# KiCad board BeavisUltrasoundPnp.kicad_pcb (continued)
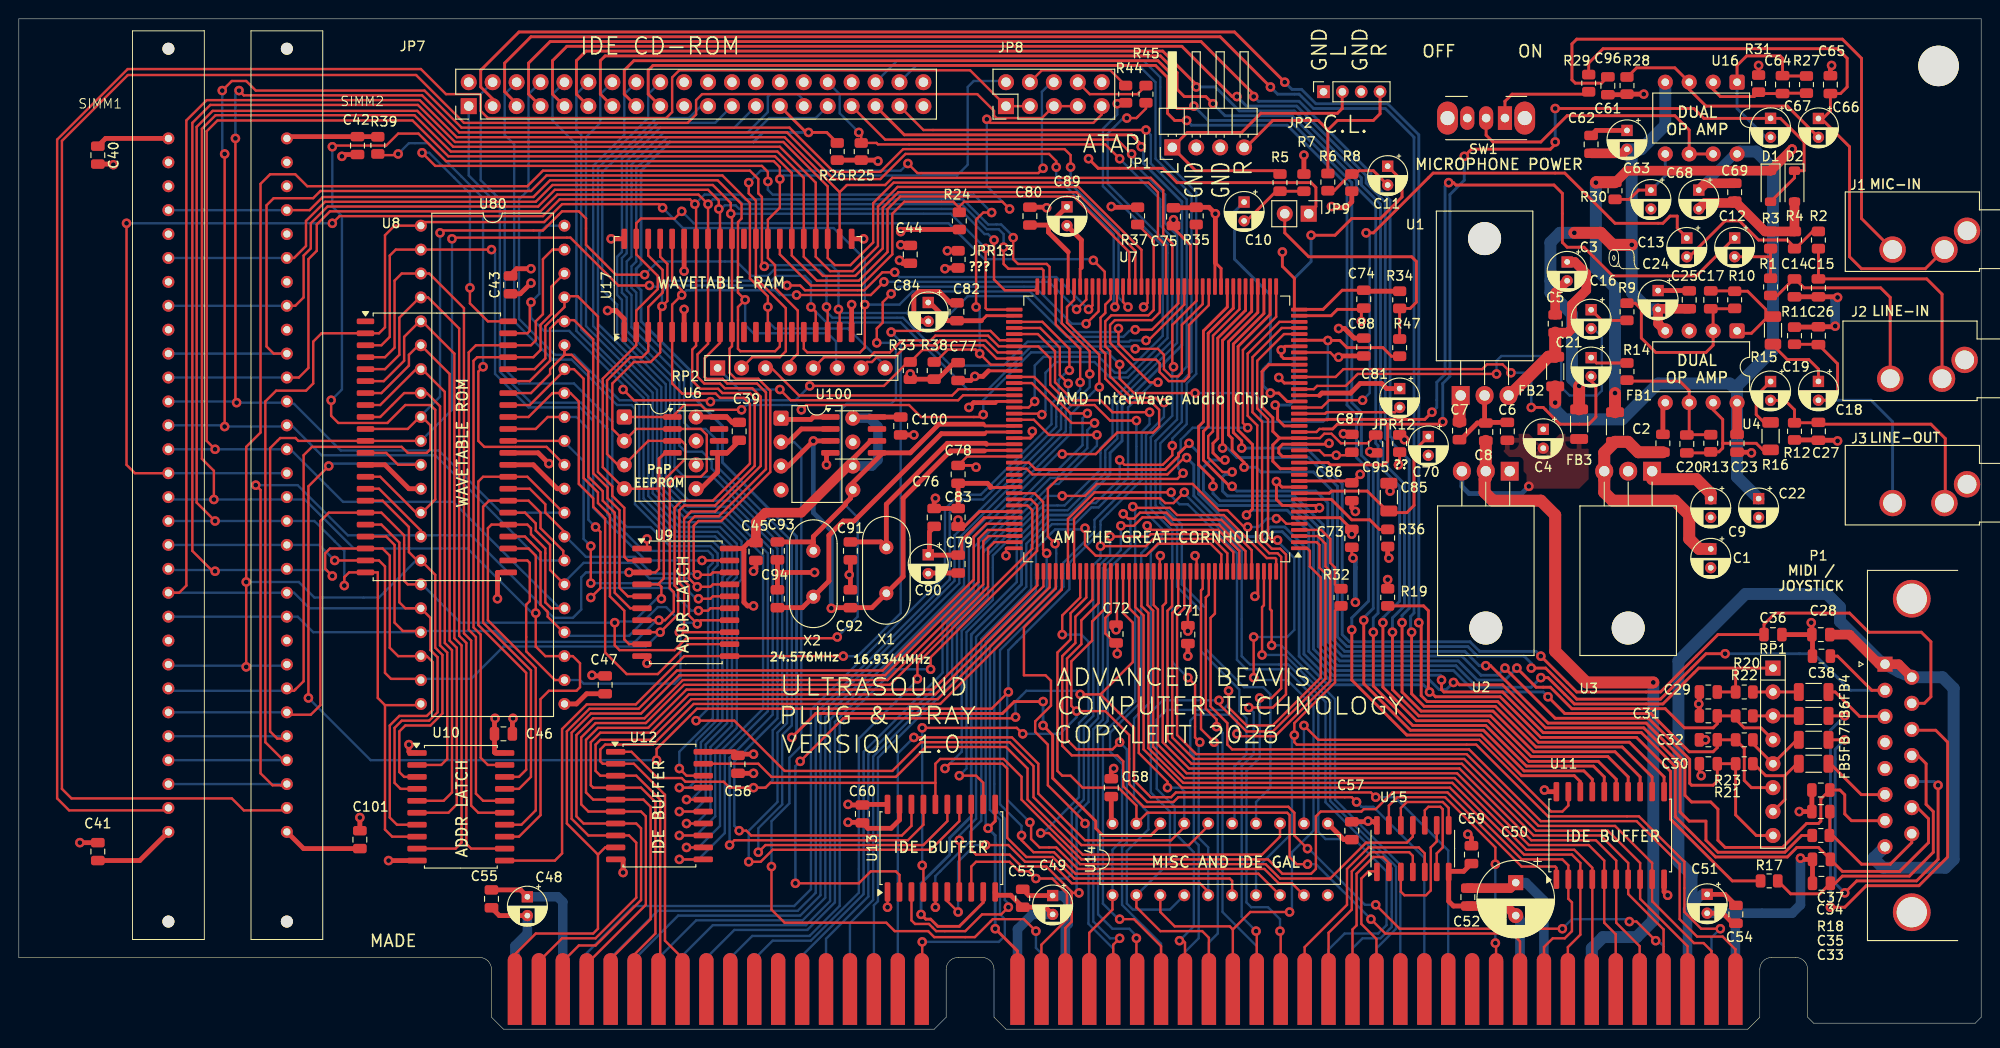
[diagram p0: board, top side]
## Routing (per net, layer and track width the routed paths; a pad name or vN(x,y) marks a point on that pad's centre or on a via; arc(x,y) is an arc through that point) (continued)
/A10: length 80.3
  Top w0.254: v1(131.32,10.41) 131.39,10.34 J4.A21 ; 135.9,74.48 134.04,74.48 130.94,71.37 130.94,65.53 131.95,64.52 131.95,52.07 132.99,51.03 133.88,51.03 134.49,50.42 134.49,35.56 133.1,34.16 v1(130.56,34.16)
  Bottom w0.254: v1(131.32,10.41) 129.79,11.94 129.79,27.94 131.06,29.21 131.06,33.65 v1(130.56,34.16)
/A11: length 81.5
  Top w0.254: v1(131.7,35.18) 132.97,35.18 133.99,36.19 133.99,50.16 133.6,50.55 132.71,50.55 131.44,51.82 131.44,64.13 130.43,65.15 130.43,71.75 133.8,75.13 U7.38 ; J4.A20 133.93,10.34 v1(133.86,10.41)
  Bottom w0.254: v1(133.86,10.41) 133.86,11.68 132.59,12.95 130.81,12.95 130.3,13.46 130.3,27.43 131.7,28.83 v1(131.7,35.18)
/A12: length 26.4
  Top w0.254: 149.23,16.77 149.23,18.67 148.59,19.3 143.26,19.3 140.97,17.02 140.97,13.21 136.47,8.71 J4.A19
/A12_A15: length 77.8
  Top w0.254: v1(110.74,41.91) 110.74,43.94 112.65,45.85 U7.128 ; 147.95,21.72 147.95,20.45 147.32,19.81 143,19.81 139.19,16 133.86,16 132.33,17.53 112.64,17.53 109.34,20.83 v1(108.46,20.83)
  Bottom w0.254: v1(110.74,41.91) 112.78,41.91 113.54,41.15 113.54,33.53 112.52,32.51 112.52,24.64 108.71,20.83 v1(108.46,20.83)
/A13: length 23
  Top w0.254: 147.95,16.77 147.95,18.41 147.57,18.8 143.51,18.8 141.48,16.76 141.48,12.7 139.01,10.24 J4.A18
/A14: length 18.1
  Top w0.254: 145.42,16.77 145.42,17.65 144.78,18.29 143.76,18.29 141.99,16.51 141.99,11.02 141.55,10.59 J4.A17
/A15: length 14.7
  Top w0.254: J4.A16 144.09,9.58 142.49,11.18 142.49,16 143.26,16.77 144.14,16.77
/AEN: length 31.4
  Top w0.254: v1(156.72,17.53) 156.72,19.3 151.38,24.64 146.3,24.64 145.42,23.75 145.42,21.72 ; v1(156.72,9.14) 156.79,9.07 J4.A11
  Bottom w0.254: v1(156.72,9.14) v1(156.72,17.53)
/AUX2L: length 26.3
  Top w0.305: v1(132.84,67.56) 133.73,67.56 134.62,66.68 U7.25
  Bottom w0.305: v1(132.84,67.56) 132.08,68.33 132.08,70.1 132.84,70.87 132.84,77.98 129.03,81.79 129.03,86.84 C10.1
/AUX2R: length 40
  Top w0.305: U7.21 134.3,64.08 133.6,64.77 133.6,66.04 v1(133.35,66.29) ; C11.1 146.81,90.14 146.81,88.39 144.53,86.11 141.48,86.11 139.7,84.33 v1(137.16,84.33)
  Bottom w0.305: v1(137.16,84.33) 137.16,81.53 135.38,79.76 135.38,66.8 134.87,66.29 v1(133.35,66.29)
/DB0: length 85.1
  Top w0.254: U7.137 118.5,44.82 119.38,43.94 119.38,29.72 123.44,25.65 151.89,25.65 159.51,18.03 163.83,18.03 164.46,17.4 164.46,13.84 164.85,13.46 164.85,10.41 164.08,9.65 162.81,9.65 161.87,8.71 J4.A9
/DB1: length 84.3
  Top w0.254: J4.A8 164.41,8.71 165.74,10.03 U11.3 165.74,17.65 164.85,18.54 159.77,18.54 152.15,26.16 123.58,26.16 119.89,29.86 119.89,44.2 119.15,44.93 U7.138
/DB2: length 84.1
  Top w0.254: J4.A7 167,3.94 U11.4 167,17.14 165.1,19.05 160.02,19.05 152.4,26.67 123.72,26.67 120.4,30 120.4,44.45 119.8,45.04 U7.139
/DB3: length 85.6
  Top w0.254: J4.A6 169.49,10.08 168.27,11.3 U11.5 168.27,17.91 166.62,19.56 160.27,19.56 152.65,27.18 123.95,27.18 120.9,30.23 120.9,44.59 120.45,45.04 U7.140
/DB4: length 86.7
  Top w0.254: J4.A5 172.03,8.81 169.55,11.3 U11.6 169.55,17.91 167.39,20.07 160.53,20.07 152.91,27.69 124.21,27.69 121.41,30.48 121.41,44.96 121.75,45.3 U7.142
/DB5: length 87.7
  Top w0.254: J4.A4 174.57,10.59 170.81,14.35 U11.7 170.81,17.65 167.89,20.57 160.78,20.57 153.16,28.19 124.46,28.19 121.92,30.73 121.92,44.45 122.4,44.93 U7.143
/DB6: length 88.9
  Top w0.254: J4.A3 177.11,8.81 172.08,13.84 172.08,17.65 168.66,21.08 161.04,21.08 153.42,28.7 124.71,28.7 122.43,30.99 122.43,44.2 123.05,44.82 U7.144
/DB7: length 90.7
  Top w0.254: U7.145 123.7,44.71 122.94,43.94 122.94,31.24 124.97,29.21 153.67,29.21 161.29,21.59 169.42,21.59 173.36,17.65 U11.9 173.36,13.59 177.8,9.14 178.82,9.14 179.65,8.31 J4.A2
/DB8: length 88.6
  Top w0.254: U7.124 110.05,46.81 97.79,34.54 71.63,34.54 67.31,30.23 62.23,30.23 61.72,29.72 61.72,28.45 61.98,28.19 U12.2 65.28,28.19 68.58,24.89 68.58,9.4 70.43,7.54 J4.C11
/DB9: length 88.3
  Top w0.254: J4.C12 68.07,4.06 68.07,24.38 65.53,26.92 U12.3 61.72,26.92 61.21,27.43 61.21,30.23 61.72,30.73 67.06,30.73 71.37,35.05 97.54,35.05 109.4,46.92 U7.123
/DB10: length 89.8
  Top w0.254: J4.C13 65.35,7.95 67.56,10.16 67.56,24.13 66.04,25.65 U12.4 60.96,25.65 60.71,25.91 60.71,30.48 61.72,31.5 67.06,31.5 71.12,35.56 97.28,35.56 108.75,47.03 U7.122
/DB11: length 90.8
  Top w0.254: J4.C14 62.81,7.44 67.06,11.68 67.06,23.62 66.29,24.38 U12.5 60.96,24.38 60.2,25.15 60.2,30.73 61.47,32 66.8,32 70.87,36.07 97.03,36.07 108.1,47.14 U7.121
/DB12: length 92.7
  Top w0.254: J4.C15 60.27,6.93 66.55,13.21 66.55,22.61 66.04,23.11 U12.6 60.45,23.11 59.69,23.88 59.69,30.99 61.21,32.51 66.55,32.51 70.61,36.58 92.46,36.58 102.87,46.99 102.87,51.05 103.55,51.73 U7.119
/DB13: length 95.9
  Top w0.254: U7.118 102.92,52.38 102.36,51.82 102.36,47.24 92.2,37.08 70.47,37.08 66.41,33.02 60.96,33.02 59.18,31.24 59.18,22.61 59.94,21.84 U12.7 65.53,21.84 66.04,21.34 66.04,13.72 61.21,8.89 59.44,8.89 57.73,7.19 J4.C16
/DB14: length 97.9
  Top w0.254: J4.C17 55.19,7.19 57.66,9.65 61.21,9.65 65.53,13.97 65.53,19.81 64.77,20.57 U12.8 60.45,20.57 58.67,22.35 58.67,31.5 60.71,33.53 66.04,33.53 70.1,37.59 91.95,37.59 101.85,47.5 101.85,52.07 102.81,53.03 U7.117
/DB15: length 97.8
  Top w0.254: 61.47,18.54 62.23,19.3 U12.9 ; 61.47,18.54 58.17,21.84 58.17,31.63 60.57,34.04 65.79,34.04 69.85,38.1 91.69,38.1 101.35,47.75 101.35,52.32 102.7,53.68 U7.116 ; 61.47,18.54 61.47,10.67 60.96,10.16 54.86,10.16 52.65,7.95 J4.C18
/DDACK: length 133.2
  Top w0.254: U13.14 99.82,22.1 96.77,19.05 80.01,19.05 78.74,17.78 v1(77.47,17.78)
  Bottom w0.254: v1(77.47,17.78) 77.47,21.08 80.52,24.13 80.52,31.5 81.53,32.51 81.53,51.56 73.53,59.56 73.53,60.32 72.52,61.34 70.74,61.34 70.1,61.98 70.1,69.47 65.02,74.55 65.02,77.98 64.52,78.49 64.52,81.53 65.02,82.04 65.02,91.82 68.45,95.25 77.34,95.25 79.5,97.41 79.5,99.06 79.76,99.31 82.68,99.31 83.31,98.68 JP7.29
/DDACK2: length 113.7
  Top w0.254: v1(124.08,37.34) 124.84,36.58 124.84,30.99 v1(125.35,30.48) ; U14.5 126.24,14.6 125.35,15.49 111.76,15.49 109.47,17.78 106.8,17.78 105.02,19.56 v1(102.62,19.56) ; U13.6 98.55,13.59 v1(99.7,12.45) ; 124.97,85.47 125,85.44 U7.54 125,77.38 122.43,74.8 122.43,70.48 v1(122.55,70.36)
  Bottom w0.254: v1(125.35,30.48) 125.22,30.35 125.22,20.32 126.24,19.3 U14.5 ; v1(102.62,19.56) 101.47,19.56 99.7,17.78 v1(99.7,12.45) ; v1(124.08,37.34) 122.43,38.99 122.43,52.96 120.14,55.24 120.14,62.86 122.43,65.15 122.43,70.23 v1(122.55,70.36)
/DDRQ: length 121.1
  Top w0.254: v1(75.44,19.56) 75.95,20.07 94.36,20.07 96.01,21.72 U13.17
  Bottom w0.254: JP7.21 72.39,98.04 71.12,96.77 67.68,96.77 61.93,91.02 61.93,78.54 63.5,76.96 63.5,73.66 68.67,68.49 68.67,57.82 70.99,55.5 75.31,55.5 80.01,50.8 80.01,33.4 75.44,28.83 v1(75.44,19.56)
/DDRQ2: length 106.2
  Top w0.254: v1(130.43,63.88) 129.92,64.39 129.92,72.14 133.45,75.67 U7.41 ; v1(109.98,51.56) 109.22,52.32 109.22,57.4 110.26,58.45 122.96,58.45 v1(123.57,59.05) ; v1(105.03,12.95) 104.27,12.19 102.23,12.19 100.46,10.41 97.36,10.41 96.6,11.18 95.12,11.18 94.74,11.56 U13.3
  Bottom w0.254: v1(130.43,63.88) 124.59,63.88 123.32,62.61 123.32,61.47 123.06,61.21 123.06,59.56 v1(123.57,59.05) ; v1(105.03,12.95) 105.03,13.33 104.65,13.72 104.65,22.36 103.53,23.48 103.53,40.41 110.11,46.99 110.11,51.43 v1(109.98,51.56)
/DRQ0: length 73.7
  Top w0.254: v1(96.77,38.23) 96.77,39.5 108.08,50.8 108.08,55.63 107.42,56.28 U7.112
  Bottom w0.254: v1(96.77,38.23) 92.96,38.23 87.12,32.38 87.12,13.1 83.92,9.91 77.85,9.91 75.51,7.57 J4.D9
/DRQ1: length 89.7
  Top w0.254: v1(122.3,57.02) 114.18,57.02 111.35,54.19 U7.126
  Bottom w0.254: v1(122.3,57.02) 122.3,56.64 123.19,55.75 124.08,55.75 129.29,50.55 129.29,39.24 130.3,38.23 134.49,38.23 137.92,34.8 137.92,20.95 138.68,20.19 141.73,20.19 145.16,16.76 145.16,11.05 144.27,10.16 140.72,10.16 139.01,8.46 J4.B18
/DRQ3: length 53
  Top w0.254: U7.158 132.15,45.03 131.95,44.83 v1(131.95,39.75)
  Bottom w0.254: v1(131.95,39.75) 134.35,39.75 139.19,34.91 139.19,24.25 146.18,17.26 146.18,10.67 144.09,8.59 J4.B16
/DRQ5: length 100.9
  Top w0.254: U7.74 112,77.46 111.25,76.71 111.25,75.06 114.68,71.63 v1(114.68,68.2)
  Bottom w0.254: J4.D11 70.43,7.82 73.66,11.05 83.55,11.05 86.11,13.6 86.11,32.89 100.33,47.12 100.33,51.94 111.63,63.25 111.63,65.28 114.55,68.2 v1(114.68,68.2)
/DRQ6: length 103.2
  Top w0.254: U7.77 110.05,74.86 112.65,72.26 v1(112.65,68.71)
  Bottom w0.254: v1(112.65,68.71) 112.65,67.94 110.62,65.91 110.62,63.75 99.31,52.45 99.31,47.62 85.09,33.4 85.09,14.22 82.93,12.06 69.98,12.06 65.35,7.44 J4.D13
/DRQ7: length 108
  Top w0.254: v1(111.51,69.98) 111.51,72.26 108.64,75.13 U7.83
  Bottom w0.254: v1(111.51,69.98) 111.38,69.98 110.36,68.96 110.36,67.18 109.6,66.42 109.6,64.26 102.11,56.77 99.82,56.77 98.3,55.24 98.3,48.13 84.07,33.91 84.07,14.86 82.3,13.08 65.28,13.08 60.27,8.08 J4.D15
/EEPROM_CS: length 105.1
  Top w0.254: v1(116.84,70.61) 116.84,69.09 118.36,67.56 v1(124.84,67.56) ; v1(102.36,65.28) 102.11,65.02 95.76,65.02 94.49,66.29 83.57,66.29 v1(83.06,65.79) ; v1(76.71,65.79) 72.9,65.79 72.39,66.29 70.61,66.29 69.34,65.02 U6.1
  Top w0.305: U7.35 138.91,73.18 v1(138.94,73.15) 140.21,73.15 140.97,72.39 144.78,72.39 145.69,71.48 R47.2
  Bottom w0.254: v1(76.71,65.79) 77.22,66.29 82.55,66.29 v1(83.06,65.79) ; v1(102.36,65.28) 102.36,66.8 107.44,71.88 115.57,71.88 v1(116.84,70.61) ; v1(124.84,67.56) 131.06,67.56 131.83,66.8 131.83,64.77 132.08,64.52 138.43,64.52 138.94,65.02 v1(138.94,73.15)
/I_A0: length 135.6
  Top w0.305: U13.9 102.36,13.46 99.82,10.92 97.54,10.92 96.77,11.68 96.27,11.68 v1(95.76,12.19) ; v1(119.13,93.73) 119.13,93.98 118.11,95 93.98,95 JP7.35
  Bottom w0.305: v1(95.76,12.19) 95.76,15.49 98.81,18.54 98.81,20.32 101.09,22.61 101.09,41.91 106.43,47.24 106.43,51.82 109.22,54.61 111.51,54.61 115.82,58.93 115.82,61.21 117.09,62.48 117.09,66.29 123.44,72.64 123.44,87.88 119.38,91.95 119.38,93.47 v1(119.13,93.73)
/I_A1: length 116
  Top w0.254: JP7.33 91.95,94.49 116.59,94.49 v1(118.11,92.96) ; v1(99.82,26.92) 101.6,26.92 102.36,26.16 U13.12
  Bottom w0.254: v1(99.82,26.92) 100.58,27.69 100.58,42.16 105.92,47.5 105.92,52.07 108.97,55.12 111.33,55.12 115.32,59.1 115.32,61.47 116.59,62.74 116.59,66.55 122.94,72.9 122.94,84.33 121.67,85.6 121.67,88.65 118.11,92.2 v1(118.11,92.96)
/I_A2: length 135.6
  Top w0.254: v1(99.82,20.07) U13.7 ; v1(116.84,60.45) 117.35,59.94 121.41,59.94 122.43,60.96 v1(122.43,61.98)
  Bottom w0.254: v1(116.84,60.45) 116.84,58.42 114.3,55.88 113.54,55.88 111.76,54.1 109.47,54.1 106.93,51.56 106.93,46.99 101.6,41.66 101.6,22.35 99.82,20.57 v1(99.82,20.07) ; JP7.36 93.22,102.87 119.38,102.87 121.16,101.09 121.16,92.71 124.97,88.9 124.97,69.6 123.95,68.58 123.95,64.26 122.43,62.74 v1(122.43,61.98)
/I_IOCHRDY: length 146.5
  Top w0.305: 121.16,21.59 120.14,20.57 115.06,20.57 114.3,21.34 114.3,22.1 109.73,26.67 109.73,31.24 v1(108.71,32.26) ; v1(108.71,34.8) 105.66,34.8 104.39,33.53 84.58,33.53 v1(82.04,30.99) ; JP7.27 83.57,95.25 85.75,95.25 R26.2
  Bottom w0.305: v1(82.04,30.99) 82.55,31.5 82.55,52.32 74.68,60.2 74.68,64.06 71.37,67.36 71.37,69.85 66.04,75.18 66.04,78.49 65.53,78.99 65.53,80.77 66.04,81.28 66.04,91.19 69.09,94.23 77.98,94.23 78.99,95.25 v1(83.82,95.25) ; v1(108.71,34.8) v1(108.71,32.26)
/IDB0: length 170.3
  Top w0.305: v1(123.95,96.52) 122.68,96.52 121.92,97.28 121.92,101.09 120.65,102.36 67.31,102.36 66.8,101.85 66.8,99.31 JP7.17 ; U11.18 165.74,26.29 165.1,26.92 159.51,26.92 155.19,31.24 147.32,31.24 141.48,37.08 v1(141.48,42.42)
  Bottom w0.305: v1(141.48,42.42) 141.48,43.69 143.26,45.47 143.26,59.44 141.99,60.71 141.99,65.28 140.97,66.29 140.97,89.66 134.62,96.01 124.46,96.01 v1(123.95,96.52)
/IDB1: length 173.7
  Top w0.305: JP7.15 64.26,99.31 64.26,101.85 65.28,102.87 120.9,102.87 122.43,101.35 122.43,98.3 122.94,97.79 124.46,97.79 v1(124.71,98.04) ; v1(142.75,43.43) 142.75,36.7 147.7,31.75 155.45,31.75 159.77,27.43 166.12,27.43 167,26.54 U11.17
  Bottom w0.305: v1(124.71,98.04) 126.24,96.52 134.87,96.52 141.48,89.92 141.48,66.55 142.49,65.53 142.49,60.96 143.76,59.69 143.76,44.7 142.75,43.69 v1(142.75,43.43)
/IDB2: length 177.3
  Top w0.305: v1(126.75,98.3) 125.98,99.06 123.7,99.06 122.94,99.82 122.94,101.6 121.16,103.38 62.23,103.38 61.72,102.87 61.72,99.31 JP7.13 ; v1(143.76,42.16) 143.76,36.45 147.95,32.26 155.7,32.26 160.02,27.94 167.13,27.94 168.27,26.8 U11.16
  Bottom w0.305: v1(143.76,42.16) 143.76,43.69 144.27,44.2 144.27,61.98 144.02,62.23 144.02,87.38 141.99,89.41 141.99,90.17 135.13,97.03 128.02,97.03 v1(126.75,98.3)
/IDB3: length 181.5
  Top w0.305: v1(124.97,100.08) 124.97,100.33 121.41,103.89 60.2,103.89 59.18,102.87 59.18,99.31 JP7.11 ; U11.15 169.55,26.54 167.64,28.45 160.27,28.45 155.96,32.77 148.34,32.77 144.78,36.32 v1(144.78,43.18)
  Bottom w0.305: v1(144.78,43.18) 144.78,43.69 146.56,45.47 146.56,57.66 144.78,59.44 144.78,62.23 144.53,62.48 144.53,87.63 142.49,89.66 142.49,90.42 135.38,97.54 129.54,97.54 127,100.08 v1(124.97,100.08)
/IDB4: length 185.3
  Top w0.305: v1(145.8,42.16) 145.8,36.07 148.59,33.27 156.21,33.27 160.53,28.96 168.66,28.96 170.81,26.8 U11.14 ; JP7.9 56.64,99.31 56.64,102.87 58.17,104.39 123.44,104.39 128.78,99.06 v1(129.29,99.06)
  Bottom w0.305: v1(129.29,99.06) 130.3,98.04 135.64,98.04 143,90.68 143,89.88 145.03,87.85 145.03,62.74 145.29,62.48 145.29,59.69 147.07,57.91 147.07,44.96 145.8,43.69 v1(145.8,42.16)
/IDB5: length 189.1
  Top w0.305: v1(146.81,43.18) 146.81,35.81 148.84,33.78 156.46,33.78 160.78,29.46 169.42,29.46 172.08,26.8 172.08,25.22 ; JP7.7 54.1,99.31 54.1,102.62 56.39,104.9 125.48,104.9 131.06,99.31 v1(131.06,99.06)
  Bottom w0.305: v1(146.81,43.18) 146.81,43.94 147.57,44.7 147.57,60.45 145.8,62.23 145.8,62.74 145.54,62.99 145.54,88.06 143.51,90.09 143.51,90.93 135.89,98.55 131.57,98.55 v1(131.06,99.06)
/IDB6: length 197.3
  Top w0.305: JP7.5 52.83,98.3 51.56,99.57 51.56,102.62 54.36,105.41 127.51,105.41 v1(132.84,100.08) ; v1(147.83,42.16) 147.83,35.62 149.16,34.29 156.72,34.29 161.04,29.97 170.18,29.97 173.36,26.8 U11.12
  Bottom w0.305: v1(132.84,100.08) 133.6,99.31 135.89,99.31 137.41,97.79 145.03,97.79 148.08,94.74 148.08,44.2 147.73,43.84 147.73,42.27 v1(147.83,42.16)
/IDB7: length 200.7
  Top w0.305: v1(148.59,43.18) 148.84,42.93 148.84,35.43 149.48,34.8 156.97,34.8 161.29,30.48 170.94,30.48 174.62,26.8 174.62,25.22 ; JP7.3 50.29,98.81 49.02,100.08 49.02,101.85 53.09,105.92 129.03,105.92 v1(134.37,100.58)
  Bottom w0.305: v1(148.59,43.18) 148.59,95 145.29,98.3 137.67,98.3 136.14,99.82 135.13,99.82 v1(134.37,100.58)
/IDB8: length 95.8
  Top w0.254: U12.18 70.87,26.92 v1(70.1,27.69)
  Bottom w0.254: v1(70.1,27.69) 70.1,29.46 73.66,33.02 73.66,48.77 74.17,49.28 74.17,50.55 73.41,51.31 69.09,51.31 67.06,53.34 64.52,53.34 62.99,54.86 62.99,64.52 58.93,68.58 53.09,68.58 51.56,70.1 51.56,87.63 49.02,90.17 49.02,99.31 JP7.4
/IDB9: length 94.7
  Top w0.254: U12.17 v1(70.1,25.65)
  Bottom w0.254: v1(70.1,25.65) 71.12,25.65 71.88,26.42 71.88,30.6 74.17,32.88 74.17,48.26 74.68,48.77 74.68,50.8 73.66,51.82 69.34,51.82 65.39,55.77 65.39,65.93 65.02,66.29 63.5,66.29 58.67,71.12 56.64,71.12 52.58,75.18 52.58,93.98 51.56,95 51.56,99.31 JP7.6
/IDB10: length 94.8
  Top w0.254: U12.16 v1(70.87,24.38)
  Bottom w0.254: v1(70.87,24.38) 71.37,24.38 72.39,25.4 72.39,30.46 74.68,32.74 74.68,48.01 75.18,48.51 75.18,51.05 73.91,52.32 69.6,52.32 65.85,56.07 65.85,66.23 65.28,66.8 63.75,66.8 58.93,71.63 56.9,71.63 53.09,75.44 53.09,88.14 54.1,89.15 54.1,99.31 JP7.8
/IDB11: length 94.2
  Top w0.254: U12.15 v1(70.1,23.11)
  Bottom w0.254: JP7.10 56.64,99.31 56.64,96.52 59.18,93.98 59.18,74.17 66.31,67.04 66.31,56.38 69.85,52.83 74.17,52.83 75.69,51.31 75.69,48.26 75.18,47.75 75.18,32.51 72.9,30.23 72.9,24.38 71.63,23.11 v1(70.1,23.11)
/IDB12: length 93.4
  Top w0.254: U12.14 v1(70.87,21.84)
  Bottom w0.254: JP7.12 59.18,99.31 59.18,95.5 59.69,95 59.69,74.31 66.81,67.19 66.81,56.63 70.1,53.34 74.42,53.34 76.2,51.56 76.2,48.01 75.69,47.5 75.69,32.26 73.41,29.97 73.41,23.37 71.88,21.84 v1(70.87,21.84)
/IDB13: length 96.9
  Top w0.254: U12.13 v1(70.1,20.57)
  Bottom w0.254: JP7.14 61.72,99.31 61.72,96.27 60.2,94.74 60.2,74.68 67.28,67.6 67.28,56.93 70.36,53.85 74.68,53.85 76.71,51.82 76.71,47.75 76.2,47.24 76.2,32 73.91,29.72 73.91,22.61 71.88,20.57 v1(70.1,20.57)
/IDB14: length 99.1
  Top w0.254: U12.12 v1(70.87,19.3)
  Bottom w0.254: JP7.16 64.26,99.31 64.26,95 60.96,91.69 60.96,74.68 67.74,67.9 67.74,57.23 70.61,54.36 74.93,54.36 78.99,50.29 78.99,34.04 74.42,29.46 74.42,21.59 72.14,19.3 v1(70.87,19.3)
/IDB15: length 102.9
  Top w0.254: U12.11 v1(70.1,18.03)
  Bottom w0.254: v1(70.1,18.03) 72.14,18.03 74.93,20.83 74.93,29.21 79.5,33.78 79.5,50.55 75.18,54.86 70.87,54.86 68.2,57.53 68.2,68.2 61.47,74.93 61.47,91.44 66.8,96.77 66.8,99.31 JP7.18
/IO_RDY: length 89.2
  Top w0.254: v1(136.78,17.53) 135.64,17.53 134.87,18.29 134.87,22.73 134.62,22.99 119.76,22.99 U14.19 118.62,23.75 116.71,25.65 112.9,25.65 111.63,26.92 110.74,26.92 110.24,27.43 110.24,40 111.63,41.4 111.63,44.18 113.3,45.85 U7.129 ; v1(143.51,11.68) 145.03,10.16 158.5,10.16 159.33,9.32 J4.A10
  Bottom w0.254: v1(143.51,11.68) 137.67,17.53 v1(136.78,17.53)
/IRQ2: length 101.2
  Top w0.254: v1(163.83,10.67) 146.56,10.67 v1(144.02,13.21) ; v1(136.78,19.18) 135.38,20.57 135.38,22.99 134.75,23.62 119.39,23.62 117.22,25.79 117.22,28.45 116.59,29.08 111.76,29.08 110.74,30.1 110.74,39.62 112.14,41.02 112.14,43.81 113.95,45.63 U7.130 ; v1(173.74,9.4) 171.7,11.43 v1(170.94,11.43)
  Bottom w0.254: v1(170.94,11.43) 170.69,11.68 164.85,11.68 v1(163.83,10.67) ; v1(144.02,13.21) 142.88,13.21 136.91,19.18 v1(136.78,19.18) ; J4.B4 174.57,8.81 173.99,9.4 v1(173.74,9.4)
/IRQ3: length 54.4
  Top w0.254: U7.131 114.6,45.26 112.78,43.43 112.78,40.89 111.25,39.37 111.25,30.73 112.27,29.72 116.08,29.72 v1(116.84,30.48)
  Bottom w0.254: v1(116.84,30.48) 117.6,29.72 117.6,19.81 117.09,19.3 117.09,13.21 121.23,9.07 J4.B25
/IRQ4: length 67.1
  Top w0.254: v1(129.29,31.37) 129.54,31.11 133.34,31.11 139.19,36.97 139.19,48.64 138.68,49.15 138.68,51.56 137.87,52.38 U7.3
  Bottom w0.254: J4.B24 123.77,8.2 125.22,9.65 125.22,19.56 124.71,20.07 124.71,29.08 124.33,29.46 124.33,32.77 124.97,33.4 128.65,33.4 129.29,32.77 v1(129.29,31.37)
/IRQ5: length 45.9
  Top w0.254: U7.148 125.65,46.78 125.48,46.61 125.48,31.88 v1(126.87,30.48)
  Bottom w0.254: v1(126.87,30.48) 127.25,30.1 127.25,10.16 126.31,9.22 J4.B23
/IRQ7: length 47.1
  Top w0.254: U7.149 126.3,46.16 125.98,45.85 125.98,34.04 127.13,32.89 v1(127.13,32.13)
  Bottom w0.254: J4.B21 131.39,8.81 127.76,12.45 127.76,31.5 v1(127.13,32.13)
/IRQ10: length 90.2
  Top w0.254: v1(133.48,54.23) 133.99,54.23 134.54,53.68 U7.5 ; v1(110.74,56.64) 113.16,56.64 114.43,57.91 124.59,57.91 127.38,55.12 128.27,55.12 130.05,53.34 v1(130.43,53.34)
  Bottom w0.254: v1(130.43,53.34) 131.57,53.34 132.46,54.23 v1(133.48,54.23) ; J4.D3 90.75,13.16 91.19,13.59 91.19,28.83 99.57,37.21 99.57,42.54 102.87,45.85 102.87,50.43 109.08,56.64 v1(110.74,56.64)
/IRQ11: length 80
  Top w0.254: v1(114.43,63.12) 109.35,63.12 107.74,64.73 U7.99
  Bottom w0.254: v1(114.43,63.12) 114.43,61.98 110.36,57.91 109.6,57.91 102.36,50.67 102.36,46.1 99.06,42.8 99.06,37.35 90.68,28.97 90.68,13.73 88.21,11.26 J4.D4
/IRQ12: length 83
  Top w0.254: U7.93 107.52,68.63 111.76,64.39 v1(114.17,64.39)
  Bottom w0.254: J4.D5 85.67,9.6 90.17,14.1 90.17,29.21 98.55,37.59 98.55,43.05 101.85,46.35 101.85,50.93 109.47,58.55 110.24,58.55 113.41,61.72 113.41,63.63 v1(114.17,64.39)
/IRQ15: length 83.8
  Top w0.254: U7.92 107.76,69.28 111.63,65.4 v1(113.41,65.4)
  Bottom w0.254: v1(113.41,65.4) 112.9,64.9 112.9,62.04 110.17,59.31 109.47,59.31 101.35,51.18 101.35,46.61 98.04,43.31 98.04,37.85 89.66,29.46 89.66,14.35 83.13,7.82 J4.D6
/IRQR: length 128.6
  Top w0.254: U13.15 98.55,22.1 96.01,19.56 79.25,19.56 v1(78.49,18.8)
  Bottom w0.254: JP7.31 84.58,96.77 79.63,96.77 77.6,94.74 68.83,94.74 65.53,91.44 65.53,81.53 65.02,81.03 65.02,78.74 65.53,78.23 65.53,74.93 70.61,69.85 70.61,64.41 71.27,63.75 72.9,63.75 74.17,62.48 74.17,59.69 82.04,51.82 82.04,32.26 81.03,31.24 81.03,23.88 78.49,21.34 v1(78.49,18.8)
/IRQR2: length 86.6
  Top w0.254: v1(120.9,68.71) 120.02,68.71 115.82,72.9 115.82,74.8 116.33,75.31 120.27,75.31 121.1,76.14 U7.60 ; U13.5 v1(97.28,12.95)
  Bottom w0.254: v1(97.28,12.95) 97.28,16.26 100.96,19.94 100.96,20.95 102.16,22.15 102.16,41.45 107.44,46.74 107.44,51.42 109.66,53.64 112.06,53.64 113.84,55.42 114.6,55.42 117.73,58.55 117.73,66.04 120.4,68.71 v1(120.9,68.71)
/ISA_RST: length 98.9
  Top w0.254: 140.21,44.96 139.7,44.45 139.7,36.83 135.38,32.51 v1(135.38,31.24) 135.38,30.48 135.64,30.23 154.69,30.23 162.31,22.61 171.96,22.61 176.78,17.78 176.78,12.45 178.56,10.67 v1(180.59,10.67)
  Bottom w0.254: J4.B2 179.65,9.73 v1(180.59,10.67) ; v1(135.38,31.24) 135.13,30.99 135.13,20.83 131.32,17.02 U14.7
/LINEINL: length 66.2
  Top w0.254: v1(142.62,66.8) 139.06,66.8 138.29,66.03 U7.24
  Top w0.305: v1(143,84.58) 143.76,84.58 150.11,90.93 164.08,90.93 169.42,85.6 174.5,85.6 175.26,86.36 176.02,86.36 176.02,85.09 177.04,84.07 C13.1
  Bottom w0.254: v1(142.62,66.8) 143.38,67.56 143.38,84.2 v1(143,84.58)
/LINEINR: length 78.7
  Top w0.305: v1(151.76,89.92) 152.27,89.92 152.53,89.66 162.94,89.66 163.83,88.77 163.83,83.57 164.34,83.06 166.12,83.06 169.16,80.01 178.05,80.01 182.09,84.04 C12.1 ; v1(149.99,65.53) 149.23,64.77 138.94,64.77 138.9,64.73 U7.22
  Bottom w0.305: v1(149.99,65.53) 150.5,66.04 150.5,68.71 151.38,69.6 151.38,89.53 v1(151.76,89.92)
/LINEOUTL: length 41.4
  Top w0.254: U7.29 139.76,69.28 140.59,70.1 155.32,70.1 155.83,70.61 157.48,70.61 v1(158.37,69.72)
  Top w0.305: v1(160.53,66.04) 161.8,66.04 163.58,64.26 166.62,64.26 167.39,65.02 167.39,68.33 166.88,68.83 C21.2
  Bottom w0.254: v1(160.53,66.04) 160.53,69.21 160.02,69.72 v1(158.37,69.72)
/LINEOUTR: length 45.1
  Top w0.254: 135.9,67.98 137.45,67.98 137.8,68.33 140.84,68.33 142.11,69.6 v1(156.85,69.6)
  Bottom w0.254: v1(156.85,69.6) 156.85,70.99 157.35,71.5 163.07,71.5 163.7,70.87 163.7,68.2 164.59,67.31 167.51,67.31 168.02,67.82 168.02,73.53 167.14,74.41 C16.2
/LMA3: length 50.8
  Top w0.254: U10.2 44.83,28.07 45.47,28.7 45.47,40 44.7,40.77 44.7,66.17 43.31,67.56 40.89,67.56 38.35,65.02 U8.9
/LMA4: length 57.9
  Top w0.254: U8.8 38.35,66.29 42.16,70.1 42.8,70.1 45.21,67.69 45.21,41.02 45.97,40.26 45.97,25.15 45.08,24.26 42.26,24.26
/LMA5: length 63.7
  Top w0.254: U10.6 45.59,22.99 46.48,23.88 46.48,40.51 45.72,41.27 45.72,69.6 42.55,72.77 41.4,71.63 41.4,70.48 38.48,67.56 U8.7
/LMA6: length 72.3
  Top w0.254: U10.9 46.36,19.18 46.99,19.81 46.99,40.77 46.23,41.53 46.23,71.75 42.67,75.31 40.89,73.53 40.89,70.99 38.73,68.83 U8.6
/LMA7: length 76.1
  Top w0.254: U8.5 38.86,70.1 40.39,71.63 40.39,75.56 42.55,77.72 43.43,77.72 46.74,74.42 46.74,41.78 47.5,41.02 47.5,19.68 48.01,19.18 U10.12
/LMA8: length 76.8
  Top w0.254: U8.4 38.86,71.37 39.88,72.39 39.88,79.5 40.64,80.26 43.56,80.26 47.24,76.58 47.24,42.04 48.01,41.27 48.01,23.75 48.77,22.99 U10.15
/LMA9: length 69.8
  Top w0.254: U80.41 56.64,82.8 55.63,81.79 55.63,75.95 54.86,75.18 54.86,73.15 54.36,72.64 U8.42 48.51,72.64 47.75,71.88 47.75,42.42 48.51,41.66 48.51,25.02 49.28,24.26 51.56,24.26
/LMA10: length 62.1
  Top w0.254: U10.19 49.78,28.07 49.02,28.83 49.02,41.91 48.26,42.67 48.26,70.99 48.64,71.37 U8.41 54.61,71.37 55.37,72.14 55.37,74.81 56.52,75.96 56.52,78.87 U80.40
/LMA11: length 45
  Top w0.254: U8.40 54.74,70.1 55.88,71.25 55.88,74.68 57.91,76.71 57.91,77.85 59.31,77.85 61.47,75.69 61.47,59.18 62.99,57.66 62.99,56.64 64.26,55.37 64.26,50.16 64.64,49.78 U9.2
/LMA12: length 44.9
  Top w0.254: U8.39 54.23,68.83 56.39,70.99 56.39,74.42 57.28,75.31 58.93,75.31 60.96,73.28 60.96,59.04 62.48,57.52 62.48,56.39 63.75,55.12 63.75,46.86 64.64,45.97 U9.5
/LMA13: length 40.5
  Top w0.254: U9.6 64.9,44.7 63.25,46.35 63.25,54.86 61.98,56.13 61.98,57.15 60.45,58.67 60.45,69.85 58.67,71.63 57.91,71.63 56.39,70.1 56.39,69.6 54.36,67.56 U8.38
  Top w0.305: 57.91,71.63 U80.37
/LMA14: length 41.6
  Top w0.254: U8.37 54.23,66.29 58.04,70.1 58.93,70.1 59.94,69.09 59.94,58.54 61.47,57.01 61.47,55.88 62.74,54.61 62.74,45.97 64.26,44.45 64.26,41.4 64.77,40.89 U9.9
/LMA15: length 52.2
  Top w0.254: U8.36 54.1,65.02 56.64,67.56 58.55,67.56 59.44,66.67 59.44,57.91 60.96,56.39 60.96,55.5 62.23,54.23 62.23,40 64.52,37.72 67.82,37.72 70.99,40.89 U9.12
/LMA16: length 44.7
  Top w0.254: v1(60.71,45.85) 61.72,46.86 61.72,52.83 v1(61.21,53.34) ; U8.35 54.86,63.75 56.13,65.02 U80.34 ; U9.15 73.41,44.7 73.15,44.45 v1(72.14,44.45)
  Bottom w0.254: v1(61.21,53.34) 60.45,54.1 60.45,63.75 59.18,65.02 U80.34 ; v1(60.71,45.85) 61.72,46.86 68.96,46.86 71.37,44.45 v1(72.14,44.45)
/LMA17: length 37.7
  Top w0.254: v1(72.14,45.72) 73.41,45.72 73.66,45.97 U9.16 ; U8.34 57.78,62.48 ; v1(60.71,47.37) v1(60.71,51.31)
  Bottom w0.254: v1(60.71,51.31) 59.94,52.07 59.94,60.32 57.78,62.48 ; v1(72.14,45.72) 71.88,45.72 70.23,47.37 v1(60.71,47.37)